# Altium PCB AI_Pyramid_PCB_HDMI_V0.3_20251031.PcbDoc (part 1 of 2) (continued)
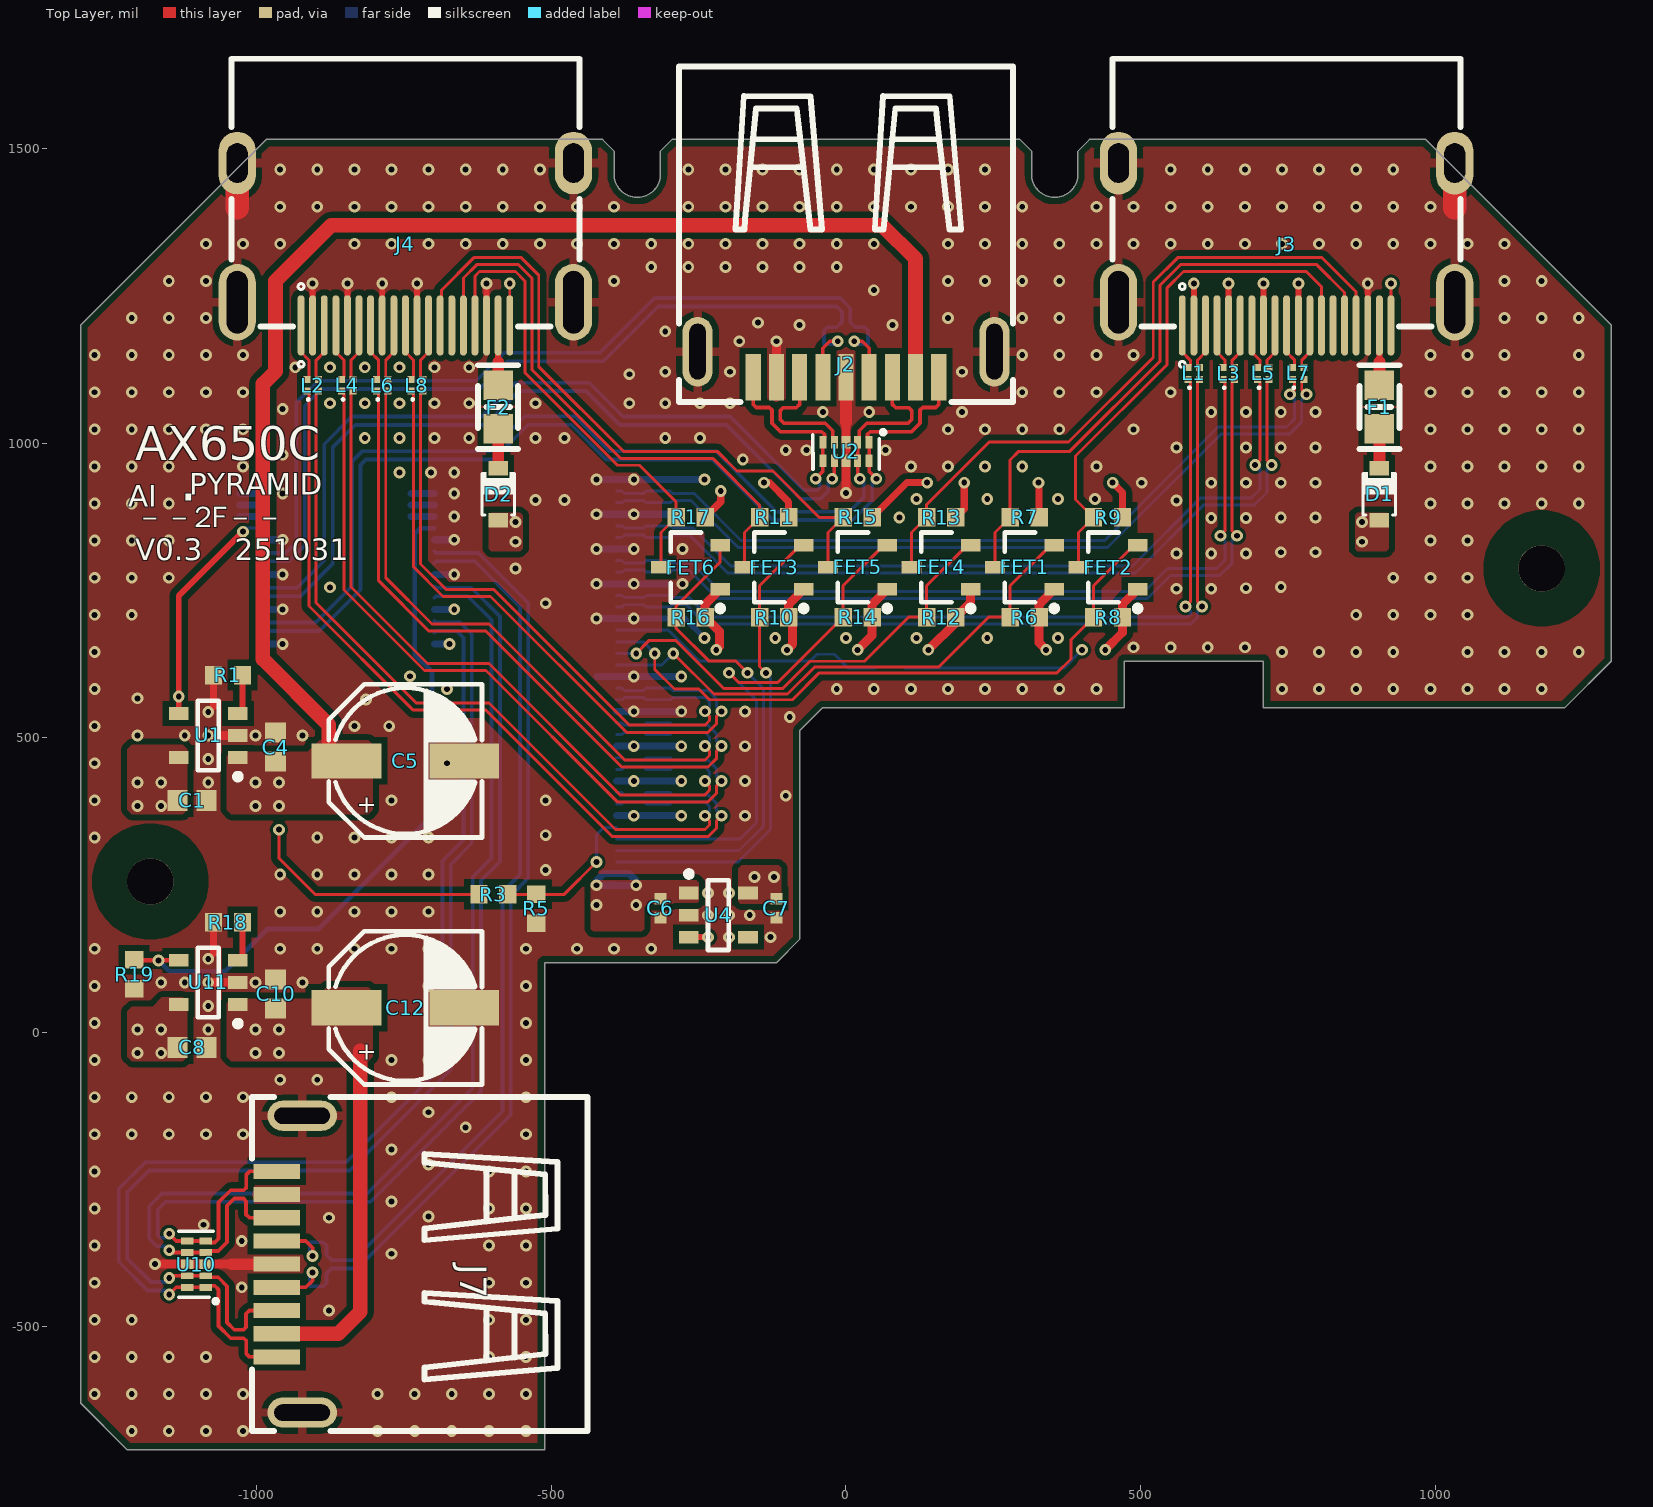
[diagram p0: Top Layer view]
## Design rules (kind name [scope] priority, off if disabled: settings)
BoardOutlineClearance [All] p1: gap=11.81 ignorepadtopadclearanceinfootprint=FALSE
Clearance [inpoly vs OnLayer('Mechanical 1')] p1: gap=12 ignorepadtopadclearanceinfootprint=TRUE
Clearance 波峰焊间距 [ispad and HoleSize>0.1 vs issmtpin] p2 off: gap=78.74 ignorepadtopadclearanceinfootprint=FALSE
Clearance 3w [istrack > (InDifferentialPairClass('All Differential Pairs')) vs istrack] p3 off: gap=13 ignorepadtopadclearanceinfootprint=FALSE
Clearance Clearance_RF [InNetClass('RF')] p4: gap=20 ignorepadtopadclearanceinfootprint=TRUE
Clearance diff-diff [IsTrack vs IsTrack] p5 off: gap=15 ignorepadtopadclearanceinfootprint=TRUE
Clearance via-via [IsVia vs IsVia] p6: gap=8 ignorepadtopadclearanceinfootprint=FALSE
Clearance Clearance_2 [InNet('GND_EARTH')  or InNet('PE1') or InNet('PE')] p7: gap=39.37 ignorepadtopadclearanceinfootprint=TRUE
Clearance Clearance_1 [InNet('GNDE_IN')] p8: gap=39.37 ignorepadtopadclearanceinfootprint=TRUE
Clearance Ispad-ispad [Ispad vs Ispad] p9: gap=10 ignorepadtopadclearanceinfootprint=TRUE
Clearance Clearance_room [WithinRoom('FPGA')] p10: gap=5 ignorepadtopadclearanceinfootprint=FALSE except(6: Via-Fill Via-Poly Via-Region; 8: Arc-Fill Arc-Poly Arc-Region Track-Fill Track-Poly Track-Region SMDPad-Fill SMDPad-Poly SMDPad-Region THPad-Fill THPad-Poly THPad-Region)
Clearance poly-via [inpoly vs isvia] p11: gap=5 ignorepadtopadclearanceinfootprint=FALSE
Clearance pad-via [IsPad vs IsVia] p12: gap=5 ignorepadtopadclearanceinfootprint=TRUE except(0: Arc-Hole Track-Hole SMDPad-Hole THPad-Hole Via-Hole Fill-Hole Poly-Hole Region-Hole Text-Hole)
Clearance poly-all [InPoly vs istrack or ispad or isarc or Inpoly] p13: gap=10 ignorepadtopadclearanceinfootprint=FALSE
Clearance ALL [All] p14: gap=4 ignorepadtopadclearanceinfootprint=TRUE
DiffPairsRouting DiffPairsRouting_90 [InDifferentialPairClass('90ohm')] p1: maxlimit=8 minlimit=8 mostfreqgap=8 toplayer_minwidth=6.23 toplayer_maxwidth=6.23 toplayer_prefwidth=6.23 midlayer1_minwidth=6.23 midlayer1_maxwidth=6.23 midlayer1_prefwidth=6.23 midlayer2_minwidth=6.23 midlayer2_maxwidth=6.23 midlayer2_prefwidth=6.23 bottomlayer_minwidth=6.23 bottomlayer_maxwidth=6.23 bottomlayer_prefwidth=6.23 maxuncoupledlength=500
DiffPairsRouting DiffPairsRouting_100 [InDifferentialPairClass('All Differential Pairs')] p2: maxlimit=7 minlimit=7 mostfreqgap=7 toplayer_minwidth=5 toplayer_maxwidth=5 toplayer_prefwidth=5 midlayer1_minwidth=5 midlayer1_maxwidth=5 midlayer1_prefwidth=5 midlayer2_minwidth=5 midlayer2_maxwidth=5 midlayer2_prefwidth=5 bottomlayer_minwidth=5 bottomlayer_maxwidth=5 bottomlayer_prefwidth=5 maxuncoupledlength=400
Length EC2_RX [InxSignalClass('EC2_RX')] p1: maxlimit=4145 minlimit=4125
Length EC2_TX [InxSignalClass('EC2_TX')] p2: maxlimit=4369 minlimit=4349
MatchedLengths MatchedLengths_1 [All] p1: tolerance=1000 checknetsindiffpair=FALSE checkdiffpairvsdiffpair=TRUE checkxsignals=TRUE checkothers=TRUE
MatchedLengths MatchedLengths_DIFF100 [InDifferentialPairClass('DIFF100')] p2: tolerance=1000 checknetsindiffpair=FALSE checkdiffpairvsdiffpair=TRUE checkxsignals=TRUE checkothers=TRUE
MatchedLengths MatchedLengths_DIFF90 [InDifferentialPairClass('DIFF90')] p3: tolerance=1000 checknetsindiffpair=FALSE checkdiffpairvsdiffpair=TRUE checkxsignals=TRUE checkothers=TRUE
PlaneClearance PlaneClearance_1 [InNet('GND_EARTH')] p1: clearance=40
PlaneClearance PlaneClearance_3 [IsVia] p2: clearance=8
PlaneClearance [All] p3: clearance=12
PlaneConnect [ispad] p1: planeconnectstyle=Direct reliefexpansion=20 reliefentries=4 reliefconductorwidth=10 reliefairgap=8
PlaneConnect PlaneConnect_via [isvia] p2: planeconnectstyle=Direct reliefexpansion=20 reliefentries=4 reliefconductorwidth=10 reliefairgap=10
PolygonConnect PolygonConnect_pad [IsPad] p1: connectstyle=Direct reliefconductorwidth=10 reliefentries=4 polygonreliefangle="90 Angle" airgapwidth=10
PolygonConnect [IsVia] p2: connectstyle=Direct reliefconductorwidth=10 reliefentries=4 polygonreliefangle="90 Angle" airgapwidth=10
RoutingVias [All] p1: holewidth=8 width=16 viastyle="Through Hole" minholewidth=8 minwidth=16 maxholewidth=10 maxwidth=20
SolderMaskExpansion [All] p1: expansion=2 istentingtop=FALSE
SupplyNets "Schematic Supply Nets_6" [InNet('VUSB_DS3')] p1: voltage=0.000
SupplyNets "Schematic Supply Nets_5" [InNet('VUSB_DS4')] p2: voltage=0.000
SupplyNets "Schematic Supply Nets_4" [InNet('HDMI1_5V')] p3: voltage=0.000
SupplyNets "Schematic Supply Nets_3" [InNet('VDD_EXT_5V')] p4: voltage=0.000
SupplyNets "Schematic Supply Nets_2" [InNet('VDD_3V3')] p5: voltage=0.000
SupplyNets "Schematic Supply Nets_1" [InNet('VDD_5V')] p6: voltage=0.000
SupplyNets "Schematic Supply Nets" [InNet('HDMI0_5V')] p7: voltage=0.000
SupplyNets "Schematic Supply Nets_8" [InNet('GND')] p8: voltage=0.000
Width Width_pwr [InNetClass('0PWR')] p1: maxlimit=40 minlimit=5 preferedwidth=10 minimp=50.000000 maximp=50.000000 favimp=50.000000
Width Width_55 [InNetClass('RF')] p2: maxlimit=15 minlimit=15 preferedwidth=15
Width [All] p3: maxlimit=5 minlimit=4 preferedwidth=5 toplayer_minwidth=5 midlayer1_minwidth=5 midlayer2_maxwidth=4 midlayer2_prefwidth=4 bottomlayer_minwidth=5 minimp=50.000000 maximp=50.000000 favimp=50.000000
27 further rules are at their usual default settings.

## Classes and differential pairs
differential pair class 90ohm: USB2_DS3_D0 USB2_DS4_D0 USB3_DS3_RX USB3_DS3_TX USB3_DS4_RX USB3_DS4_TX
net class 0PWR: DS3_PWR_EN DS4_PWR_EN GND HDMI0_5V HDMI1_5V NetD1_2 NetD2_2 NetR1_1 NetR18_1 VDD_3V3 VDD_5V VDD_EXT_5V VUSB_DS3 VUSB_DS4
differential pair USB3_DS4_TX: +USB3_DS4_TX_P -USB3_DS4_TX_N
differential pair USB3_DS4_RX: +USB3_DS4_RX_P -USB3_DS4_RX_N
differential pair USB2_DS4_D0: +USB2_DS4_D0_P -USB2_DS4_D0_N
differential pair USB3_DS3_TX: +USB3_DS3_TX_P -USB3_DS3_TX_N
differential pair USB3_DS3_RX: +USB3_DS3_RX_P -USB3_DS3_RX_N
differential pair USB2_DS3_D0: +USB2_DS3_D0_P -USB2_DS3_D0_N
differential pair HDMI1_D2: +HDMI1_D2_P -HDMI1_D2_N
differential pair HDMI1_D2_E: +HDMI1_D2_E_P -HDMI1_D2_E_N
differential pair HDMI1_D1: +HDMI1_D1_P -HDMI1_D1_N
differential pair HDMI1_D1_E: +HDMI1_D1_E_P -HDMI1_D1_E_N
differential pair HDMI1_D0: +HDMI1_D0_P -HDMI1_D0_N
differential pair HDMI1_D0_E: +HDMI1_D0_E_P -HDMI1_D0_E_N
differential pair HDMI1_CLK: +HDMI1_CLK_P -HDMI1_CLK_N
differential pair HDMI1_CLK_E: +HDMI1_CLK_E_P -HDMI1_CLK_E_N
differential pair HDMI0_D2: +HDMI0_D2_P -HDMI0_D2_N
differential pair HDMI0_D2_E: +HDMI0_D2_E_P -HDMI0_D2_E_N
differential pair HDMI0_D1: +HDMI0_D1_P -HDMI0_D1_N
differential pair HDMI0_D1_E: +HDMI0_D1_E_P -HDMI0_D1_E_N
differential pair HDMI0_D0: +HDMI0_D0_P -HDMI0_D0_N
differential pair HDMI0_D0_E: +HDMI0_D0_E_P -HDMI0_D0_E_N
differential pair HDMI0_CLK: +HDMI0_CLK_P -HDMI0_CLK_N
differential pair HDMI0_CLK_E: +HDMI0_CLK_E_P -HDMI0_CLK_E_N

## Components (designator, comment, footprint, x,y, rotation, side; value= is the part's Value field where it differs from the comment)
C1 "22uF/10V" C0603-L-HD -1110.24,393.7 r180 top
C2 "10uF/10V" C0402-L-HD -1031.5,484.25 r90 bottom
C3 "22uF 6.3V" C0603-L-HD -968.5,484.25 r270 bottom
C4 "22uF 6.3V" C0603-L-HD -968.5,484.25 r270 top
C5 "HV1C227M0607PZ/220uF/16V" SMT_C_CYLINDER_D_6.3MM -748.03,460.63 r0 top
C6 "1uF/25V" C0402-HD -314.96,210.63 r90 top
C7 "1uF/25V" C0402-HD -118.11,210.63 r90 top
C8 "22uF/10V" C0603-L-HD -1110.24,-25.59 r180 top
C9 "10uF/10V" C0402-L-HD -1031.5,64.96 r90 bottom
C10 "22uF 6.3V" C0603-L-HD -968.5,64.96 r270 top
C11 "22uF 6.3V" C0603-L-HD -968.5,64.96 r270 bottom
C12 "HV1C227M0607PZ/220uF/16V" SMT_C_CYLINDER_D_6.3MM -748.03,41.34 r0 top
D1 "1N5819" SMT_DIODE_SOD_323 905.51,913.36 r90 top
D2 "1N5819" SMT_DIODE_SOD_323 -590.56,913.38 r90 top
F1 "100mA/6V/PPTC" SMT_FUSE_0805 905.51,1061.41 r90 top
F2 "100mA/6V/PPTC" SMT_FUSE_0805 -590.56,1061.43 r90 top
FET1 "WNM4153" SOT-233-HD 303.15,789.37 r180 top
FET2 "WNM4153" SOT-233-HD 444.88,789.37 r180 top
FET3 "WNM4153" SOT-233-HD -122.05,789.37 r180 top
FET4 "WNM4153" SOT-233-HD 161.42,789.37 r180 top
FET5 "WNM4153" SOT-233-HD 19.68,789.37 r180 top
FET6 "WNM4153" SOT-233-HD -263.78,789.37 r180 top
J1 "FH34RH-14S-0.5SH_14P/XKB_X05A10H14T" FH34RH-14S-0.5SH_14P -1039.37,786.89 r180 bottom
J2 "USB3.0_TypeA_SMD" USB-3.0-SMD_U-A-39DS-Y-1 0,1354.92 r0 top locked
J3 "HDMI_TYPE_A" CON_HDMI_A_SMD 748.03,1337.8 r0 top locked
J4 "HDMI_TYPE_A" CON_HDMI_A_SMD -748.04,1337.81 r0 top locked
J5 "FH34RJ-36S-0.5SH_36P/XKB_X05A10H36T" FH34RJ-36S-0.5SH_36P -450.97,770.2 r180 bottom locked
J6 "FH34RH-14S-0.5SH_14P/XKB_X05A10H14T" FH34RH-14S-0.5SH_14P -748.03,786.89 r180 bottom
J7 "USB3.0_TypeA_SMD" USB-3.0-SMD_U-A-39DS-Y-1 -723.82,-393.7 r270 top
L1 "SDMM0806H-2-900T" SDMM0806 590.56,1118.41 r90 top
L2 "SDMM0806H-2-900T" SDMM0806 -905.51,1098.43 r90 top
L3 "SDMM0806H-2-900T" SDMM0806 649.61,1118.41 r90 top
L4 "SDMM0806H-2-900T" SDMM0806 -846.46,1098.43 r90 top
L5 "SDMM0806H-2-900T" SDMM0806 708.67,1118.41 r90 top
L6 "SDMM0806H-2-900T" SDMM0806 -787.4,1098.43 r90 top
L7 "SDMM0806H-2-900T" SDMM0806 767.72,1118.41 r90 top
L8 "SDMM0806H-2-900T" SDMM0806 -728.35,1098.43 r90 top
R1 "120K/1%" R0603-HD -1049.21,606.3 r180 top
R2 "4.7K/1%" R0603-HD 74.8,618.11 r180 bottom
R3 "4.7K/1%" R0603-HD -598.55,234.24 r0 top
R4 "100K/1%" R0603-HD -49.21,617.13 r90 bottom
R5 "100K/1%" R0603-HD -525.71,209.64 r90 top
R6 "1.5K/1%" R0603-HD 303.15,704.72 r180 top
R7 "1.5K/1%" R0603-HD 303.15,874.02 r180 top
R8 "1.5K/1%" R0603-HD 444.88,704.72 r180 top
R9 "1.5K/1%" R0603-HD 444.88,874.02 r180 top
R10 "1.5K/1%" R0603-HD -122.05,704.72 r180 top
R11 "1.5K/1%" R0603-HD -122.05,874.02 r180 top
R12 "1.5K/1%" R0603-HD 161.42,704.72 r180 top
R13 "1.5K/1%" R0603-HD 161.42,874.02 r180 top
R14 "1.5K/1%" R0603-HD 19.68,704.72 r180 top
R15 "1.5K/1%" R0603-HD 19.68,874.02 r180 top
R16 "1.5K/1%" R0603-HD -263.78,704.72 r180 top
R17 "1.5K/1%" R0603-HD -263.78,874.02 r180 top
R18 "120K/1%" R0603-HD -1049.21,187.01 r180 top
R19 "100k" R0603-HD -1208.66,98.43 r90 top
U1 "ME1502CM5G" SOT-235-HD -1082.68,503.94 r180 top
U2 "PESDALC10N5VU" R-PSON-N10 39.37,970.35 r180 top
U3 "PESD2ETH" SOT-233-HD 0,1118.11 r270 bottom
U4 "ME6211C33M5G-N" SOT-235-HD -216.54,198.82 r0 top
U5 "PESDALC10N5VU" R-PSON-N10 -303.28,387.32 r90 bottom
U6 "PESDALC10N5VU" R-PSON-N10 -303.28,721.97 r90 bottom
U7 "PESDALC10N5VU" R-PSON-N10 -303.28,840.08 r90 bottom
U8 "PESDALC10N5VU" R-PSON-N10 -303.28,505.43 r90 bottom
U9 "PESD2ETH" SOT-233-HD -960.63,-393.7 r180 bottom
U10 "PESDALC10N5VU" R-PSON-N10 -1118.39,-433.07 r90 top
U11 "ME1502CM5G" SOT-235-HD -1082.68,84.65 r180 top

## Footprints (in the part's own frame and the unit in brackets; to place one, negate y for a bottom-side part, rotate by r counter-clockwise, add the part's x,y. Pads: shape width x height; smd on the part's side, far side on the other; paste and mask are expansions set on the pad)
C0402-HD [mm] "Chip Capacitor, 2-Leads, Body 1.00x0.50mm, IPC High Density"
  rect 0.5x0.52 smd: 1(-0.415,0) 2(0.415,0)
  body extent -0.53,-0.28 0.53,0.28, height 0.55
C0402-L-HD [mm] "Chip Capacitor, 2-Leads, Body 1.00x0.50mm, IPC High Density"
  rect 0.52x0.62 smd: 1(-0.455,0) 2(0.455,0)
  body extent -0.6,-0.35 0.6,0.35, height 0.7
C0603-L-HD [mm] "Chip Capacitor, 2-Leads, Body 1.60x0.80mm, IPC High Density"
  rect 0.85x0.9 smd: 1(-0.625,0) 2(0.625,0)
  body extent -0.9,-0.5 0.9,0.5, height 1.2
CON_HDMI_A_SMD [mm]
  oval 1.6x3.3 hole 0.9 slot 2.7 at 90 deg mask+0.051: 0(-7.25,-2.5) 0(7.25,-2.5)
  oval 1.6x2.7 hole 0.9 slot 1.7 at 90 deg mask+0.051: 0(-7.25,3.5) 0(7.25,3.5)
  oval 0.3x2.6 smd mask+0.025: 1(-4.5,-3.5) 2(-4,-3.5) 3(-3.5,-3.5) 4(-3,-3.5) 5(-2.5,-3.5) 6(-2,-3.5) 7(-1.5,-3.5) 8(-1,-3.5) 9(-0.5,-3.5) 10(0,-3.5) 11(0.508,-3.5) 12(1,-3.5) 13(1.5,-3.5) 14(2,-3.5) 15(2.5,-3.5) 16(3,-3.5) 17(3.5,-3.5) 18(4,-3.5) 19(4.5,-3.5)
  silkscreen extent -7.5,-5.3 7.5,8, body extent -7.5,-3.89 7.5,7.98, height 6.23
FH34RH-14S-0.5SH_14P [mm]
  rect 0.8x0.3 smd paste+0 mask+0.05: 1(-1.25,-3.25) 2(-1.25,-2.75) 3(-1.25,-2.25) 4(-1.25,-1.75) 5(-1.25,-1.25) 6(-1.25,-0.75) 7(-1.25,-0.25) 8(-1.25,0.25) 9(-1.25,0.75) 10(-1.25,1.25) 11(-1.25,1.75) 12(-1.25,2.25) 13(-1.25,2.75) 14(-1.25,3.25)
  rect 0.8x0.4 smd paste+0 mask+0.05: 15(1.25,-4.25) 16(1.25,4.25)
  silkscreen extent -2.16,-4.52 1.6,4.52, body extent -1.66,-4.49 1.6,4.52, height 1.98
FH34RJ-36S-0.5SH_36P [mm]
  rect 0.8x0.4 smd paste+0 mask+0.05: 0(0.95,5.275) 0(0.95,-14.225)
  rect 0.8x0.3 smd paste+0 mask+0.05: 1(-1.55,4.275) 2(-1.55,3.775) 3(-1.55,3.275) 4(-1.55,2.775) 5(-1.55,2.275) 6(-1.55,1.775) 7(-1.55,1.275) 8(-1.55,0.775) 9(-1.55,0.275) 10(-1.55,-0.225) 11(-1.55,-0.725) 12(-1.55,-1.225) 13(-1.55,-1.725) 14(-1.55,-2.225) 15(-1.55,-2.725) 16(-1.55,-3.225) 17(-1.55,-3.725) 18(-1.55,-4.225) 19(-1.55,-4.725) 20(-1.55,-5.225) 21(-1.55,-5.725) 22(-1.55,-6.225) 23(-1.55,-6.725) 24(-1.55,-7.225) 25(-1.55,-7.725) 26(-1.55,-8.225) 27(-1.55,-8.725) 28(-1.55,-9.225) 29(-1.55,-9.725) 30(-1.55,-10.225) 31(-1.55,-10.725) 32(-1.55,-11.225) 33(-1.55,-11.725) 34(-1.55,-12.225) 35(-1.55,-12.725) 36(-1.55,-13.225)
  silkscreen extent -2.46,-14.49 1.3,5.54, body extent -1.96,-14.47 1.3,5.54, height 1.98
R0603-HD [mm] "Chip Resistor, 2-Leads, Body 1.60x0.80mm, IPC High Density"
  rect 0.75x0.8 smd: 1(-0.625,0) 2(0.625,0)
  body extent -0.85,-0.45 0.85,0.45, height 0.55
R-PSON-N10 [mm]
  rect 0.3x0.55 smd: 1(0,-0.797) 2(0.5,-0.797) 4(1.5,-0.797) 5(2,-0.797) 6(2,0) 7(1.5,0) 9(0.5,0) 10(0,0)
  rect 0.4x0.55 smd: 3(1,-0.797) 8(1,0)
  silkscreen extent -0.66,-1.28 2.42,0.38, body extent -0.25,-0.91 2.25,0.09, height 0.55
SDMM0806 [mm] "Chip Array, Flat, 4-Leads, Pitch 0.50mm,  Body 0.85x0.65mm,  IPC High Density"
  rect 0.3x0.3 smd: 1(-0.25,0.25) 2(-0.25,-0.25) 3(0.25,-0.25) 4(0.25,0.25)
  silkscreen extent -0.66,0.14 -0.56,0.24, body extent -0.4,-0.45 0.4,0.45, height 0.45
SMT_C_CYLINDER_D_6.3MM [mil] "Surface mount cylindrical capacitor type D 6.3mm"
  rect 118.11x60 smd: 1(-100,0) 2(100,0)
  silkscreen extent -130,-130 130,130, body extent -138,-130 138,130, height 213
SMT_DIODE_SOD_323 [mm] "SOD-323(0805) Package"
  rect 0.63x0.83 smd: 1(-1.115,0) 2(1.115,0)
  silkscreen extent -0.9,-0.7 0.96,0.7, body extent -1.35,-0.62 1.35,0.62, height 1.1
SMT_FUSE_0805 [mil] "Surface mount FUSE 0805"
  rect 50x50 smd: 1(-37,0) 2(37,0)
  silkscreen extent -71,-34 71,34, body extent -39,-24 39,24, height 19
SOT-233-HD [mm] "SOT23, 3-Leads, Body 2.90x2.83mm, Pitch 0.95mm, IPC High Density"
  rect 0.85x0.55 smd: 1(-1.275,0.95) 2(-1.275,-0.95) 3(1.275,0)
  silkscreen extent -1.4,-1.5 0.85,1.9, body extent -1.53,-1.5 1.53,1.5, height 1.45
SOT-235-HD [mm] "SOT23, 5-Leads, Body 2.90x2.83mm, Pitch 0.95mm, IPC High Density"
  rect 0.85x0.55 smd: 1(-1.275,0.95) 2(-1.275,0) 3(-1.275,-0.95) 4(1.275,-0.95) 5(1.275,0.95)
  silkscreen extent -1.4,-1.5 0.45,1.9, body extent -1.53,-1.5 1.53,1.5, height 1.45
USB-3.0-SMD_U-A-39DS-Y-1 [mm]
  rect 0.65x2 smd: 1(3,-6.165) 2(1,-6.165) 3(-1,-6.165) 4(-3,-6.165) 5(-4,-6.165) 6(-2,-6.165) 7(0,-6.165) 8(2,-6.165) 9(4,-6.165)
  oval 1.3x3 hole 0.7 slot 2.4 at 90 deg: 10(-6.4,-5.065) 11(6.4,-5.065)
  silkscreen extent -7.2,-7.24 7.2,7.24, body extent -7.25,-7.25 7.25,7.2, height 7.7

## Part data
C1 C3 C4 C8 C10 C11: library part SMT_C_0603, "Surface mount capacitor 0603"
C2 C6 C7 C9: library part SMT_C_0402, "Surface mount capacitor 0402"
C5 C12: library part SMT_C_Cylinder_D_6.3mm, "Surface mount cylindrical capacitor-D-6.3mm"
D1 D2: library part SMT_DIODE_SOD_323, "Surface mount diode SOD-323(0805) Package"
F1 F2: library part SMT_FUSE_0805, "SMT_FUSE_0805"
FET1 FET2 FET3 FET4 FET5 FET6: library part SI2302-N-Ch-MOSFET, "SI2302-N-Ch,3A, 20V.RDS(ON) = 0.082Ω @ VGS = 2.5 V"
J1 J6: library part THT_Male_P_1x14, "THT Male pin header strip 1x14"
J3 J4: library part CON_HDMI_TYPE_A
J5: library part FPC_CONN_36P
L1 L2 L3 L4 L5 L6 L7 L8: library part ACM2012
R1 R2 R3 R4 R5 R6 R7 R8 R9 R10 R11 R12 R13 R14 R15 R16 R17 R18 R19: library part SMT_R_0402, "Surface mount resistor 0402"
U1 U11: library part ME1502
U2 U5 U6 U7 U8 U10: library part TPD4E05U06
U3 U9: library part ESD2CAN
U4: library part SPX3819, "500mA, Low-Noise LDO Voltage Regulator"

## Free pads (board coordinates)
  round 78.74 hole 78.74: 0(-1181.1,255.91) 0(1181.1,787.4)
  round 157.48 on Top Solder: 35(-1181.1,255.91) 35(1181.1,787.4)
  round 157.48 on Bottom Solder: 35(-1181.1,255.91) 35(1181.1,787.4)

## Via types
v1: diameter 20, hole 10, Top Layer to Bottom Layer, tented both sides, 587 vias

## Nets (pads, with @x,y where several pads share a name; then routed paths per layer and width w, separated by ;. In a path a pad name is that pad's centre, name@x,y a point inside that pad or via, vN(x,y) a via of type N, cw(c..) or ccw(c..) an arc to the next point about the centre after c; other vN are vias at no path point)
DS3_PWR_EN: J1.11 U1.4 | length 389.9
  Top Layer w10: U1.4@-1132.87,541.34 v1(-1132.87,569.88) -1132.87,740.91 v1(-1023.9,849.88)
  Bottom Layer w5: v1(-1023.9,849.88) -1018,855.79 J1.11@-990.16,855.79
DS4_PWR_EN: J6.11 R19.2 U11.4 | length 1185.6
  Top Layer w8: R19.2@-1208.66,123.03 -1207.68,122.05 v1(-1167.32,122.05) U11.4@-1132.87,122.05
  Bottom Layer w8: v1(-1167.32,122.05) -1148.8,103.53 -1053.95,103.53 -982.28,175.2 -895.67,175.2 -702.76,368.11 -702.76,611.69 -732.28,641.22 -732.28,845.94 -722.44,855.79 J6.11@-698.82,855.79
GND: C1.1 C2.2 C3.1 C4.1 C5.2 C6.1 C7.1 C8.1 C9.2 C10.1 C11.1 C12.2 J1.1 J1.4 J1.7 J1.10 J2.4 J2.7 J2.10 J2.11 J3.0 J3.2 J3.5 J3.8 J3.11 J3.17 J4.0 J4.2 J4.5 J4.8 J4.11 J4.17 J5.1 J5.4 J5.7 J5.10 J5.13 J5.18 J5.21 J5.24 J5.27 J5.30 J6.1 J6.4 J6.7 J6.10 J7.4 J7.7 J7.10 J7.11 R1.2 R4.1 R5.1 R18.2 R19.1 U1.2 U2.3 U2.8 U3.3 U4.2 U5.3 U5.8 U6.3 U6.8 U7.3 U7.8 U8.3 U8.8 U9.3 U10.3 U10.8 U11.2 | length 3549.6
  Top Layer w10: J4.2@-905.52,1200.02 v1(-905.52,1271.2) ; J4.5@-846.46,1200.02 v1(-846.46,1271.2) ; J4.8@-787.41,1200.02 v1(-787.41,1271.2) ; J4.11@-728.04,1200.02 v1(-728.04,1271.2) ; J4.17@-610.24,1200.02 v1(-610.24,1271.2) ; J3.2@590.55,1200 v1(590.55,1271.18) ; J3.5@649.61,1200 v1(649.61,1271.18) ; J3.8@708.66,1200 v1(708.66,1271.18) ; J3.11@768.03,1200 v1(768.03,1271.18) ; J3.17@885.83,1200 v1(885.83,1271.18)
  Top Layer w12: v1(-1082.68,124.65) -1073.82,133.5 R18.2@-1073.82,187.01 ; v1(-1082.68,543.94) -1073.82,552.8 R1.2@-1073.82,606.3
  Top Layer w15: v1@-1173.23,-393.7 U10.8@-1118.39,-393.7 U10.3@-1087.02,-393.7 -1043.31,-393.7 ; v1(-1082.68,84.65) U11.2@-1032.48,84.65 ; v1(-1082.68,503.94) U1.2@-1032.48,503.94 ; J2.4@-118.11,1112.2 v1(-118.11,1173.23) ; v1@0,915.51 U2.8@0,970.35 0,1035.43
  Top Layer w20: -1043.31,-393.7 J7.7@-966.54,-393.7 ; 0,1035.43 J2.7@0,1112.2
  Top Layer w40: -1033.47,1399.61 J4.0@-1033.47,1475.61 ; 1033.47,1399.59 J3.0@1033.47,1475.59
  Layer 1 w40: -1033.47,1399.61 J4.0@-1033.47,1475.61 ; 1033.47,1399.59 J3.0@1033.47,1475.59
  Layer 2 w40: -1033.47,1399.61 J4.0@-1033.47,1475.61 ; 1033.47,1399.59 J3.0@1033.47,1475.59
  Bottom Layer w10: v1(-360.2,702.28) -273.19,702.28 v1(-240.2,669.29)
  Bottom Layer w12: J1.1@-990.16,658.93 v1(-956.41,658.93) ; J1.4@-990.16,717.99 v1(-956.41,717.99) ; J1.7@-990.16,777.05 v1(-956.41,777.05) ; J1.10@-990.15,836.1 v1(-956.41,836.1) ; J6.1@-698.82,658.93 v1(-672.94,658.93) ; J6.4@-698.82,717.99 v1(-665.07,717.99) ; J6.7@-698.82,777.05 v1(-665.07,777.05) ; J6.10@-698.82,836.1 v1(-665.07,836.1) ; -423.7,603.85 J5.18@-389.95,603.85 v1(-360.2,603.85) v1(-279.53,603.85) ; v1(-423.7,702.28) J5.13@-389.95,702.28 v1(-360.2,702.28) ; v1(-423.7,761.34) v1(-360.2,761.34) U6.3@-334.65,761.34 U6.8@-303.28,761.34 ; v1(-423.7,820.39) J5.7@-389.95,820.39 v1(-360.2,820.39) ; v1(-423.7,879.45) J5.4@-389.95,879.45 v1(-360.2,879.45) U7.3@-334.65,879.45 U7.8@-303.28,879.45 ; v1(-423.7,938.5) J5.1@-389.95,938.5 v1(-360.2,938.5) v1(-240.2,938.5) ; J5.30@-389.95,367.63 v1(-360.2,367.63) v1(-279.53,367.63) ; J5.27@-389.95,426.69 v1(-360.2,426.69) U5.3@-334.65,426.69 U5.8@-303.28,426.69 ; J5.24@-389.95,485.74 v1(-360.2,485.74) v1(-279.53,485.74) ; J5.21@-389.95,544.8 v1(-360.2,544.8) U8.3@-334.65,544.8 U8.8@-303.28,544.8 v1(-279.53,544.8) ; U5.8@-303.28,426.69 v1(-279.53,426.69)
  Bottom Layer w40: -1033.47,1399.61 J4.0@-1033.47,1475.61 ; 1033.47,1399.59 J3.0@1033.47,1475.59
  other v1: -1212.6,-677.16 -1149.61,-677.16 -1086.61,-677.16 -1023.62,-677.16 -795.28,-677.16 -732.28,-677.16 -669.29,-677.16 -606.3,-677.16 -543.31,-677.16 -1275.59,-614.17 -1212.6,-614.17 -1149.61,-614.17 -1086.61,-614.17 -1023.62,-614.17 -795.28,-614.17 -732.28,-614.17 -669.29,-614.17 -606.3,-614.17 -543.31,-614.17 -1275.59,-551.18 -1212.6,-551.18 -1149.61,-551.18 -1086.61,-551.18 -606.3,-551.18 -543.31,-551.18 -1275.59,-488.19 -1212.6,-488.19 -606.3,-488.19 -543.31,-488.19 -877.95,-472.44 -1025.91,-433.07 -1275.59,-425.2 -606.3,-425.2 -543.31,-425.2 -1173.23,-393.5 -771.65,-375.98 -1275.59,-362.2 -606.3,-362.2 -543.31,-362.2 -1025.91,-354.33 -1090.55,-326.77 -877.95,-314.96 -708.66,-312.99 -1275.59,-299.21 -606.3,-299.21 -543.31,-299.21 -771.65,-287.4 -1275.59,-236.22 -606.3,-236.22 -543.31,-236.22 -708.66,-224.41 -771.65,-198.82 -1275.59,-173.23 -1212.6,-173.23 -1149.61,-173.23 -1086.61,-173.23 -1023.62,-173.23 -543.31,-173.23 -645.67,-161.42 -708.66,-135.83 -1275.59,-110.24 -1212.6,-110.24 -1149.61,-110.24 -1086.61,-110.24 -1023.62,-110.24 -771.65,-110.24 -543.31,-110.24 -960.63,-80.71 -897.64,-80.71 -1275.59,-47.24 -771.65,-47.24 -708.66,-47.24 -543.31,-47.24 -1082.68,4.65 -1275.59,15.75 -543.31,15.75 -1082.68,44.65 -1275.59,78.74 -708.66,78.74 -543.31,78.74 -1162.68,84.65 -1122.68,84.65 -1002.68,84.65 -922.68,84.65 -1275.59,141.73 -960.63,141.73 -897.64,141.73 -834.65,141.73 -771.65,141.73 -708.66,141.73 -543.31,141.73 -456.7,141.73 -393.7,141.73 -330.71,141.73 -198.82,161.42 -127.95,161.42 -234.25,198.82 -198.82,198.82 -163.39,198.82 -960.63,204.72 -897.64,204.72 -834.65,204.72 -771.65,204.72 -708.66,204.72 -234.25,236.22 -198.82,236.22 -960.63,267.72 -897.64,267.72 -834.65,267.72 -771.65,267.72 -708.66,267.72 -509.84,275.58 -1275.59,330.71 -897.64,330.71 -834.65,330.71 -771.65,330.71 -708.66,330.71 -509.84,334.64 -171.53,367.63 -1275.59,393.7 -771.65,393.7 -677.17,393.7 -509.84,393.7 -102.36,401.57 -1082.68,423.94 -171.53,426.68 -1275.59,456.69 -677.17,456.69 -1082.68,463.94 -171.53,485.74 -1202.68,503.94 -1122.68,503.94 -1002.68,503.94 -922.68,503.94 -1275.59,519.68 -834.65,519.69 -775.59,519.69 -677.17,519.68 -95.47,535.43 -171.53,544.79 -814.96,564.96 -1202.68,566.93 -1275.59,582.68 -677.17,582.68 -15.75,582.68 47.24,582.68 110.23,582.68 173.23,582.68 236.22,582.68 299.21,582.68 362.2,582.68 425.19,582.68 740.15,582.68 803.15,582.68 866.14,582.68 929.13,582.68 992.12,582.68 1055.11,582.68 1118.11,582.68 1181.1,582.68 -740.16,604.33 -1275.59,645.67 740.15,645.67 803.15,645.67 866.14,645.67 929.13,645.67 1055.11,645.67 1118.11,645.67 1181.1,645.67 1244.09,645.67 488.19,653.54 551.18,653.54 614.17,653.54 677.16,653.54 -120.2,669.29 -0.2,669.29 119.8,669.29 239.8,669.29 359.8,669.29 -1275.59,708.66 -1212.6,708.66 866.14,708.66 929.13,708.66 992.12,708.66 1055.11,708.66 -509.84,728.35 561.03,752.99 620.09,752.99 679.14,753.94 -875.98,755.39 738.2,755.83 -277.72,761.34 -1275.59,771.65 -1212.6,771.65 -1149.61,771.65 929.13,771.65 992.12,771.65 1055.11,771.65 -561.02,787.4 561.03,812.99 620.09,812.99 679.14,812.99 738.2,814.88 797.25,814.88 -277.72,820.39 -1275.59,834.64 -1212.6,834.64 -1149.61,834.64 992.12,834.64 1055.11,834.64 620.09,872.99 679.14,872.99 90.55,874.02 738.2,873.94 797.25,873.94 -665.07,875.47 -1275.59,897.64 -1212.6,897.64 -1149.61,897.64 992.12,897.64 1055.11,897.64 1118.11,897.64 1181.1,897.64 1244.09,897.64 561.02,902.6 -527.24,903.62 -477.95,903.62 119.8,905.51 239.8,905.51 359.8,905.51 422.79,905.51 -956.41,914.84 -665.07,914.84 -0.2,915.51 501.98,932.99 620.09,932.99 679.14,932.99 738.2,932.99 797.25,932.99 -757.88,950.27 -704.44,950.27 -665.07,950.27 -1275.59,960.63 -1212.6,960.63 -1149.61,960.63 -1023.62,960.63 110.23,960.63 173.23,960.63 236.22,960.63 299.21,960.63 425.19,960.63 992.12,960.63 1055.11,960.63 1118.11,960.63 1181.1,960.63 1244.09,960.63 -175.2,972.44 -956.41,980.31 -102.36,988.19 -66.93,988.19 66.93,988.19 561.03,992.99 679.14,992.99 738.2,992.99 797.25,992.99 -816.93,1008.8 -757.88,1008.8 -698.82,1008.8 -639.77,1008.8 -527.24,1008.8 -477.95,1008.8 -306.93,1008.8 -247.87,1008.8 -1275.59,1023.62 -1212.6,1023.62 -1149.61,1023.62 -1086.61,1023.62 -1023.62,1023.62 173.23,1023.62 236.22,1023.62 299.21,1023.62 362.2,1023.62 488.19,1023.62 992.12,1023.62 1055.11,1023.62 1118.11,1023.62 1181.1,1023.62 1244.09,1023.62 -39.37,1052.83 39.37,1052.83 196.85,1052.83 620.09,1052.99 679.14,1052.99 738.2,1052.99 797.25,1052.99 -956.41,1057.99 -875.99,1067.83 -816.93,1067.83 -757.88,1067.83 -698.82,1067.83 -639.77,1067.83 -527.24,1067.83 -367.87,1067.83 -306.93,1067.83 -247.87,1067.83 -196.85,1067.83 -1275.59,1086.61 -1212.6,1086.61 -1149.61,1086.61 -1086.61,1086.61 -1023.62,1086.61 299.21,1086.61 362.2,1086.61 425.19,1086.61 551.18,1086.61 992.12,1086.61 1055.11,1086.61 1118.11,1086.61 1181.1,1086.61 1244.09,1086.61 -367.87,1117.05 -306.93,1121.42 -196.85,1121.42 196.85,1121.42 -935.04,1128.84 -875.99,1128.84 -816.93,1128.84 -757.88,1128.84 -698.82,1128.84 -639.77,1128.84 -1275.59,1149.6 -1212.6,1149.6 -1149.61,1149.6 -1086.61,1149.6 -1023.62,1149.6 299.21,1149.6 362.2,1149.6 425.19,1149.6 488.19,1149.6 992.12,1149.6 1055.11,1149.6 1118.11,1149.6 1244.09,1149.6 -181.1,1173.23 -306.93,1190 -78.74,1200.79 78.74,1200.79 -149.61,1204.72 -1212.6,1212.6 -1149.61,1212.6 -1086.61,1212.6 173.23,1212.6 299.21,1212.6 362.2,1212.6 1118.11,1212.6 1181.1,1212.6 1244.09,1212.6 47.24,1259.84 -1149.61,1275.59 -1086.61,1275.59 -393.7,1275.59 173.23,1275.59 236.22,1275.59 299.21,1275.59 362.2,1275.59 1118.11,1275.59 1181.1,1275.59 -330.71,1299.21 -267.72,1299.21 -204.73,1299.21 -141.73,1299.21 -78.74,1299.21 -15.75,1299.21 -1086.61,1338.58 -1023.62,1338.58 -960.63,1338.58 -834.65,1338.58 -771.65,1338.58 -708.66,1338.58 -645.67,1338.58 -582.68,1338.58 -519.69,1338.58 -456.69,1338.58 -393.7,1338.58 -330.71,1338.58 -267.72,1338.58 -204.73,1338.58 -141.73,1338.58 -78.74,1338.58 -15.75,1338.58 47.24,1338.58 173.23,1338.58 236.22,1338.58 299.21,1338.58 362.2,1338.58 425.19,1338.58 488.19,1338.58 551.18,1338.58 614.17,1338.58 677.16,1338.58 740.15,1338.58 803.15,1338.58 866.14,1338.58 929.13,1338.58 992.12,1338.58 1055.11,1338.58 1118.11,1338.58 -960.63,1401.57 -897.64,1401.57 -834.65,1401.57 -771.65,1401.57 -708.66,1401.57 -645.67,1401.57 -582.68,1401.57 -519.69,1401.57 -456.69,1401.57 -393.7,1401.57 -267.72,1401.57 -204.73,1401.57 -141.73,1401.57 -78.74,1401.57 -15.75,1401.57 47.24,1401.57 110.23,1401.57 173.23,1401.57 236.22,1401.57 299.21,1401.57 425.19,1401.57 488.19,1401.57 551.18,1401.57 614.17,1401.57 677.16,1401.57 740.15,1401.57 803.15,1401.57 866.14,1401.57 929.13,1401.57 992.12,1401.57 -960.63,1464.56 -897.64,1464.56 -834.65,1464.56 -771.65,1464.56 -708.66,1464.56 -645.67,1464.56 -582.68,1464.56 -519.69,1464.56 -267.72,1464.56 -204.73,1464.56 -141.73,1464.56 -78.74,1464.56 -15.75,1464.56 47.24,1464.56 110.23,1464.56 173.23,1464.56 236.22,1464.56 551.18,1464.56 614.17,1464.56 677.16,1464.56 740.15,1464.56 803.15,1464.56 866.14,1464.56 929.13,1464.56
HDMI0_5V: F1.2 J3.18 | length 101.6
  Top Layer w10: 905.51,1137.78 J3.18@905.51,1200
  Top Layer w20: F1.2@905.51,1098.41 905.51,1137.78
HDMI0_CEC: FET2.2 J5.15 R8.2 | length 1100.5
  Top Layer w5: v1(-324.69,643.22) -324.69,616.03 -291.34,582.68 -250,582.68 -231.82,564.5 -91.02,564.5 -45.28,610.23 358.26,610.23 381.89,633.86 381.89,666.34 R8.2@420.28,704.72 420.28,757.87 489.17,826.77 FET2.2@495.08,826.77
  Bottom Layer w5: J5.15@-389.95,662.91 -344.38,662.91 v1(-324.69,643.22)
HDMI0_CEC_EXT: FET2.3 J3.13 R9.2 | length 911.6
  Top Layer w5: FET2.3@394.68,789.37 394.68,848.43 R9.2@420.28,874.02 389.76,904.53 389.76,978.35 545.28,1133.86 545.28,1263.78 572.83,1291.34 781.5,1291.34 807.09,1265.75 J3.13@807.09,1200
HDMI0_CLK_E_N: J3.12 L7.3 | length 79
  Top Layer w5: L7.3@777.57,1128.25 773.72,1132.09 773.72,1141.04 787.4,1154.72 J3.12@787.4,1200
HDMI0_CLK_E_P: J3.10 L7.4 | length 79
  Top Layer w5: J3.10@748.03,1200 748.03,1154.72 761.72,1141.04 L7.4@761.72,1132.09 ; L7.4@757.88,1128.25 L7.4@761.72,1132.09
HDMI0_CLK_N: J5.3 L7.2 U7.4 U7.7 | length 1370.5
  Top Layer w5: L7.2@777.57,1108.56 773.72,1104.72 773.72,1090.99 v1(781.72,1082.99)
  Bottom Layer w5: J5.3@-389.95,899.13 -380.1,899.13 -376.26,902.98 -343.41,902.98 -339.57,899.13 U7.4@-334.65,899.13 U7.7@-303.28,899.13 -298.35,899.13 -294.51,902.98 -263.21,902.98 -183.07,822.83 444.14,822.83 636.7,1015.4 752.69,1015.4 773.72,1036.44 773.72,1074.99 v1(781.72,1082.99)
HDMI0_CLK_P: J5.2 L7.1 U7.5 U7.6 | length 1350.6
  Top Layer w5: v1(753.72,1082.99) 761.72,1090.99 761.72,1104.72 L7.1@757.88,1108.56
  Bottom Layer w5: J5.2@-389.95,918.82 -380.1,918.82 -376.26,914.98 -343.41,914.98 -339.57,918.82 U7.5@-334.65,918.82 U7.6@-303.28,918.82 -298.35,918.82 -294.51,914.98 -258.24,914.98 -178.1,834.83 439.17,834.83 631.73,1027.4 747.72,1027.4 761.72,1041.41 761.72,1074.99 v1(753.72,1082.99)
HDMI0_D0_E_N: J3.9 L5.3 | length 79
  Top Layer w5: L5.3@718.51,1128.25 714.66,1132.09 714.66,1141.04 728.35,1154.72 J3.9@728.35,1200
HDMI0_D0_E_P: J3.7 L5.4 | length 79
  Top Layer w5: J3.7@688.98,1200 688.98,1154.72 702.66,1141.04 L5.4@702.66,1132.09 ; L5.4@698.83,1128.25 L5.4@702.66,1132.09
HDMI0_D0_N: J5.6 L5.2 U7.1 U7.10 | length 1393.1
  Top Layer w5: L5.2@718.51,1108.56 714.67,1104.72 714.67,970.99 v1(722.67,962.99)
  Bottom Layer w5: J5.6@-389.95,840.08 -380.1,840.07 -376.26,843.92 -343.41,843.92 -339.57,840.07 -298.35,840.07 -294.51,843.92 -265.18,843.92 -200.79,779.53 491.38,779.53 607.25,895.4 693.63,895.4 714.67,916.44 714.67,954.99 v1(722.67,962.99)
HDMI0_D0_P: J5.5 L5.1 U7.2 U7.9 | length 1373.2
  Top Layer w5: v1(694.67,962.99) 702.67,970.99 702.67,1104.72 L5.1@698.83,1108.56
  Bottom Layer w5: J5.5@-389.95,859.76 -380.1,859.76 -376.26,855.92 -343.41,855.92 -339.57,859.76 -298.35,859.76 -294.51,855.92 -260.21,855.92 -195.82,791.53 486.41,791.53 602.28,907.4 688.66,907.4 702.67,921.41 702.67,954.99 v1(694.67,962.99)
HDMI0_D1_E_N: J3.6 L3.3 | length 79
  Top Layer w5: L3.3@659.46,1128.25 655.61,1132.09 655.61,1141.04 669.29,1154.72 J3.6@669.29,1200
HDMI0_D1_E_P: J3.4 L3.4 | length 79
  Top Layer w5: J3.4@629.92,1200 629.92,1154.72 643.61,1141.04 L3.4@643.61,1132.09 ; L3.4@639.77,1128.25 L3.4@643.61,1132.09
HDMI0_D1_N: J5.9 L3.2 U6.4 U6.7 | length 1415.8
  Top Layer w5: L3.2@659.46,1108.56 655.61,1104.72 655.61,850.99 v1(663.61,842.99)
  Bottom Layer w5: J5.9@-389.95,781.02 -380.11,781.02 -376.26,784.87 -343.41,784.87 -339.57,781.02 -298.35,781.02 -294.51,784.87 -267.15,784.87 -218.5,736.22 511.81,736.22 550.99,775.4 634.58,775.4 655.61,796.44 655.61,834.99 v1(663.61,842.99)
HDMI0_D1_P: J5.8 L3.1 U6.5 U6.6 | length 1395.9
  Top Layer w5: v1(635.61,842.99) 643.61,850.99 643.61,1104.72 L3.1@639.77,1108.56
  Bottom Layer w5: J5.8@-389.95,800.71 -380.1,800.71 -376.26,796.87 -343.41,796.87 -339.57,800.71 -298.35,800.71 -294.51,796.87 -262.18,796.87 -213.53,748.22 506.84,748.22 546.02,787.4 629.61,787.4 643.61,801.41 643.61,834.99 v1(635.61,842.99)
HDMI0_D2_E_N: J3.3 L1.3 | length 79
  Top Layer w5: L1.3@600.4,1128.25 596.55,1132.09 596.55,1141.04 610.24,1154.72 J3.3@610.24,1200
HDMI0_D2_E_P: J3.1 L1.4 | length 79
  Top Layer w5: J3.1@570.87,1200 570.87,1154.72 584.55,1141.04 L1.4@584.55,1132.09 ; L1.4@580.72,1128.25 L1.4@584.55,1132.09
HDMI0_D2_N: J5.12 L1.2 U6.1 U6.10 | length 1427.6
  Top Layer w5: v1(604.56,722.99) 596.56,730.99 L1.2@596.56,1104.72 ; L1.2@596.56,1104.72 L1.2@600.4,1108.56 L1.2@596.56,1104.72
  Bottom Layer w5: J5.12@-389.95,721.97 -380.1,721.96 -376.26,725.81 -343.41,725.81 -339.57,721.96 -298.35,721.97 -294.51,725.81 -271.09,725.81 -238.09,692.81 585.08,692.81 596.56,704.29 596.56,714.99 v1(604.56,722.99)